# Altium PCB top_INA_v1.PcbDoc (part 1 of 4) (continued)
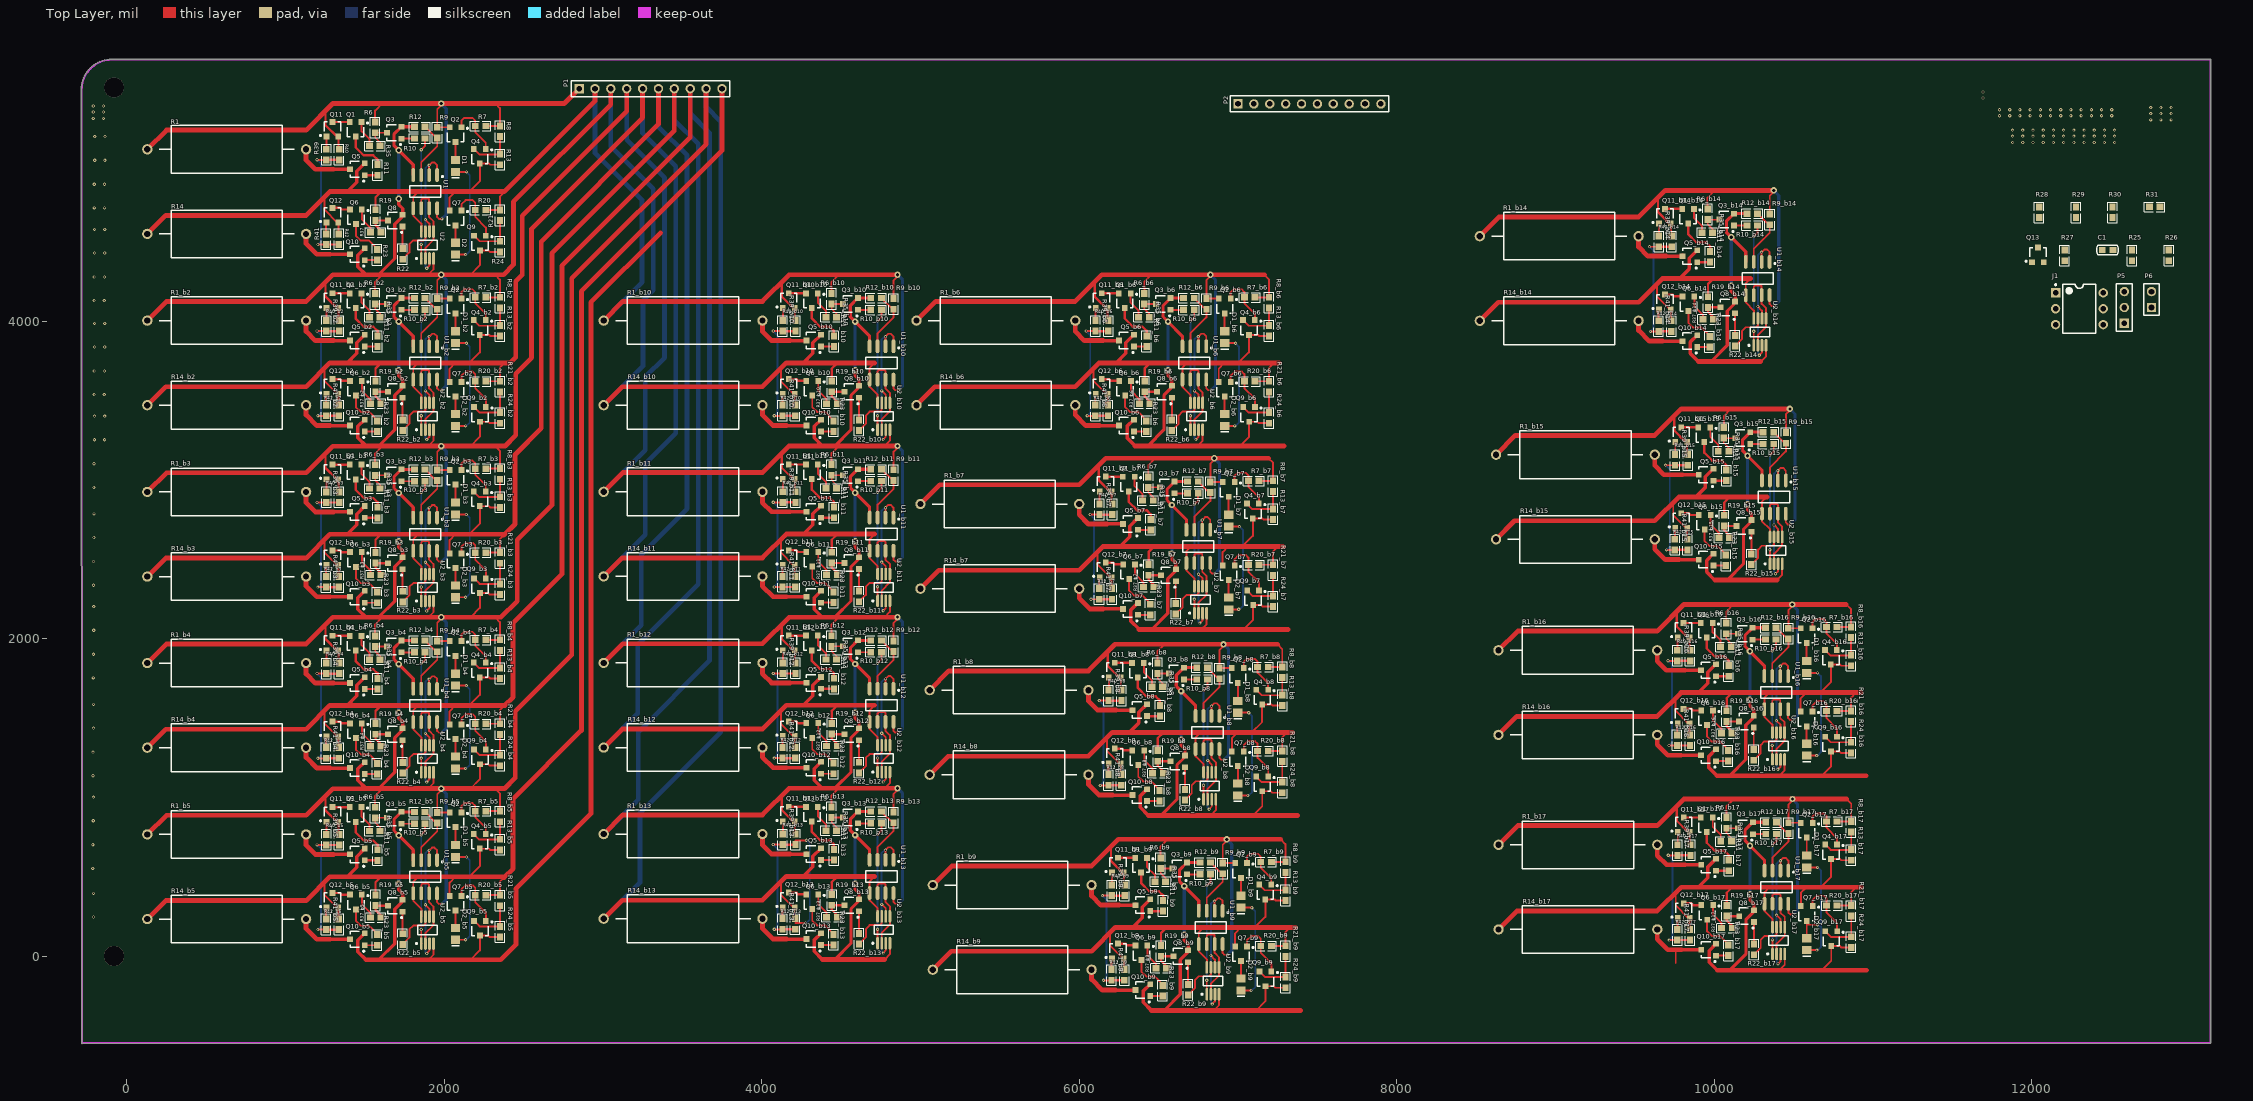
[diagram p0: Top Layer view]
## Components (designator, comment, footprint, x,y, rotation, side; value= is the part's Value field where it differs from the comment) (continued)
Q6_b13 "MMBT3906" SOT23-3 4318.87,343.54 r180 top (schematic designator Q6)
Q6_b14 "MMBT3906" SOT23-3 9836.87,4109.28 r180 top (schematic designator Q6)
Q6_b15 "MMBT3906" SOT23-3 9938.87,2733.02 r180 top (schematic designator Q6)
Q6_b16 "MMBT3906" SOT23-3 9953.87,1501.28 r180 top (schematic designator Q6)
Q6_b17 "MMBT3906" SOT23-3 9954.87,276.02 r180 top (schematic designator Q6)
Q7 "MMBT5400" SOT23-3 2071.87,4649.54 r180 top
Q7_b2 "MMBT5400" SOT23-3 2071.87,3570.54 r180 top (schematic designator Q7)
Q7_b3 "MMBT5400" SOT23-3 2071.87,2491.54 r180 top (schematic designator Q7)
Q7_b4 "MMBT5400" SOT23-3 2071.87,1413.54 r180 top (schematic designator Q7)
Q7_b5 "MMBT5400" SOT23-3 2071.87,334.54 r180 top (schematic designator Q7)
Q7_b6 "MMBT5400" SOT23-3 6915.87,3570.54 r180 top (schematic designator Q7)
Q7_b7 "MMBT5400" SOT23-3 6940.87,2415.28 r180 top (schematic designator Q7)
Q7_b8 "MMBT5400" SOT23-3 6998.87,1243.28 r180 top (schematic designator Q7)
Q7_b9 "MMBT5400" SOT23-3 7018.87,15.28 r180 top (schematic designator Q7)
Q7_b16 "MMBT5400" SOT23-3 10580.87,1494.28 r180 top (schematic designator Q7)
Q7_b17 "MMBT5400" SOT23-3 10581.87,269.02 r180 top (schematic designator Q7)
Q8 "MMBT3904" SOT23-3 1692.87,4633.54 r90 top
Q8_b2 "MMBT3904" SOT23-3 1692.87,3554.54 r90 top (schematic designator Q8)
Q8_b3 "MMBT3904" SOT23-3 1692.87,2475.54 r90 top (schematic designator Q8)
Q8_b4 "MMBT3904" SOT23-3 1692.87,1397.54 r90 top (schematic designator Q8)
Q8_b5 "MMBT3904" SOT23-3 1692.87,318.54 r90 top (schematic designator Q8)
Q8_b6 "MMBT3904" SOT23-3 6536.87,3554.54 r90 top (schematic designator Q8)
Q8_b7 "MMBT3904" SOT23-3 6561.87,2399.28 r90 top (schematic designator Q8)
Q8_b8 "MMBT3904" SOT23-3 6619.87,1227.28 r90 top (schematic designator Q8)
Q8_b9 "MMBT3904" SOT23-3 6639.87,-0.72 r90 top (schematic designator Q8)
Q8_b10 "MMBT3904" SOT23-3 4566.87,3554.54 r90 top (schematic designator Q8)
Q8_b11 "MMBT3904" SOT23-3 4566.87,2476.54 r90 top (schematic designator Q8)
Q8_b12 "MMBT3904" SOT23-3 4566.87,1398.54 r90 top (schematic designator Q8)
Q8_b13 "MMBT3904" SOT23-3 4566.87,320.54 r90 top (schematic designator Q8)
Q8_b14 "MMBT3904" SOT23-3 10084.87,4086.28 r90 top (schematic designator Q8)
Q8_b15 "MMBT3904" SOT23-3 10186.87,2710.02 r90 top (schematic designator Q8)
Q8_b16 "MMBT3904" SOT23-3 10201.87,1478.28 r90 top (schematic designator Q8)
Q8_b17 "MMBT3904" SOT23-3 10202.87,253.02 r90 top (schematic designator Q8)
Q9 "TL431" SOT23-3 2225.87,4491.54 r180 top
Q9_b2 "TL431" SOT23-3 2225.87,3412.54 r180 top (schematic designator Q9)
Q9_b3 "TL431" SOT23-3 2225.87,2333.54 r180 top (schematic designator Q9)
Q9_b4 "TL431" SOT23-3 2225.87,1255.54 r180 top (schematic designator Q9)
Q9_b5 "TL431" SOT23-3 2225.87,176.54 r180 top (schematic designator Q9)
Q9_b6 "TL431" SOT23-3 7069.87,3412.54 r180 top (schematic designator Q9)
Q9_b7 "TL431" SOT23-3 7094.87,2257.28 r180 top (schematic designator Q9)
Q9_b8 "TL431" SOT23-3 7152.87,1085.28 r180 top (schematic designator Q9)
Q9_b9 "TL431" SOT23-3 7172.87,-142.72 r180 top (schematic designator Q9)
Q9_b16 "TL431" SOT23-3 10734.87,1336.28 r180 top (schematic designator Q9)
Q9_b17 "TL431" SOT23-3 10735.87,111.02 r180 top (schematic designator Q9)
Q10 "MOSFET-N" SOT23-3 1453.87,4421.54 r90 top
Q10_b2 "MOSFET-N" SOT23-3 1453.87,3342.54 r90 top (schematic designator Q10)
Q10_b3 "MOSFET-N" SOT23-3 1453.87,2263.54 r90 top (schematic designator Q10)
Q10_b4 "MOSFET-N" SOT23-3 1453.87,1185.54 r90 top (schematic designator Q10)
Q10_b5 "MOSFET-N" SOT23-3 1453.87,106.54 r90 top (schematic designator Q10)
Q10_b6 "MOSFET-N" SOT23-3 6297.87,3342.54 r90 top (schematic designator Q10)
Q10_b7 "MOSFET-N" SOT23-3 6322.87,2187.28 r90 top (schematic designator Q10)
Q10_b8 "MOSFET-N" SOT23-3 6380.87,1015.28 r90 top (schematic designator Q10)
Q10_b9 "MOSFET-N" SOT23-3 6400.87,-212.72 r90 top (schematic designator Q10)
Q10_b10 "MOSFET-N" SOT23-3 4327.87,3342.54 r90 top (schematic designator Q10)
Q10_b11 "MOSFET-N" SOT23-3 4327.87,2264.54 r90 top (schematic designator Q10)
Q10_b12 "MOSFET-N" SOT23-3 4327.87,1186.54 r90 top (schematic designator Q10)
Q10_b13 "MOSFET-N" SOT23-3 4327.87,108.54 r90 top (schematic designator Q10)
Q10_b14 "MOSFET-N" SOT23-3 9845.87,3874.28 r90 top (schematic designator Q10)
Q10_b15 "MOSFET-N" SOT23-3 9947.87,2498.02 r90 top (schematic designator Q10)
Q10_b16 "MOSFET-N" SOT23-3 9962.87,1266.28 r90 top (schematic designator Q10)
Q10_b17 "MOSFET-N" SOT23-3 9963.87,41.02 r90 top (schematic designator Q10)
Q11 "MMBT3906" SOT23-3 1297,5208.26 r0 top
Q11_b2 "MMBT3906" SOT23-3 1297,4129.26 r0 top (schematic designator Q11)
Q11_b3 "MMBT3906" SOT23-3 1297,3050.26 r0 top (schematic designator Q11)
Q11_b4 "MMBT3906" SOT23-3 1297,1972.26 r0 top (schematic designator Q11)
Q11_b5 "MMBT3906" SOT23-3 1297,893.26 r0 top (schematic designator Q11)
Q11_b6 "MMBT3906" SOT23-3 6141,4129.26 r0 top (schematic designator Q11)
Q11_b7 "MMBT3906" SOT23-3 6166,2974 r0 top (schematic designator Q11)
Q11_b8 "MMBT3906" SOT23-3 6224,1802 r0 top (schematic designator Q11)
Q11_b9 "MMBT3906" SOT23-3 6244,574 r0 top (schematic designator Q11)
Q11_b10 "MMBT3906" SOT23-3 4171,4129.26 r0 top (schematic designator Q11)
Q11_b11 "MMBT3906" SOT23-3 4171,3051.26 r0 top (schematic designator Q11)
Q11_b12 "MMBT3906" SOT23-3 4171,1973.26 r0 top (schematic designator Q11)
Q11_b13 "MMBT3906" SOT23-3 4171,895.26 r0 top (schematic designator Q11)
Q11_b14 "MMBT3906" SOT23-3 9689,4661 r0 top (schematic designator Q11)
Q11_b15 "MMBT3906" SOT23-3 9791,3284.74 r0 top (schematic designator Q11)
Q11_b16 "MMBT3906" SOT23-3 9806,2053 r0 top (schematic designator Q11)
Q11_b17 "MMBT3906" SOT23-3 9807,827.74 r0 top (schematic designator Q11)
Q12 "MMBT3906" SOT23-3 1297,4667.26 r0 top
Q12_b2 "MMBT3906" SOT23-3 1297,3588.26 r0 top (schematic designator Q12)
Q12_b3 "MMBT3906" SOT23-3 1297,2509.26 r0 top (schematic designator Q12)
Q12_b4 "MMBT3906" SOT23-3 1297,1431.26 r0 top (schematic designator Q12)
Q12_b5 "MMBT3906" SOT23-3 1297,352.26 r0 top (schematic designator Q12)
Q12_b6 "MMBT3906" SOT23-3 6141,3588.26 r0 top (schematic designator Q12)
Q12_b7 "MMBT3906" SOT23-3 6166,2433 r0 top (schematic designator Q12)
Q12_b8 "MMBT3906" SOT23-3 6224,1261 r0 top (schematic designator Q12)
Q12_b9 "MMBT3906" SOT23-3 6244,33 r0 top (schematic designator Q12)
Q12_b10 "MMBT3906" SOT23-3 4171,3588.26 r0 top (schematic designator Q12)
Q12_b11 "MMBT3906" SOT23-3 4171,2510.26 r0 top (schematic designator Q12)
Q12_b12 "MMBT3906" SOT23-3 4171,1432.26 r0 top (schematic designator Q12)
Q12_b13 "MMBT3906" SOT23-3 4171,354.26 r0 top (schematic designator Q12)
Q12_b14 "MMBT3906" SOT23-3 9689,4120 r0 top (schematic designator Q12)
Q12_b15 "MMBT3906" SOT23-3 9791,2743.74 r0 top (schematic designator Q12)
Q12_b16 "MMBT3906" SOT23-3 9806,1512 r0 top (schematic designator Q12)
Q12_b17 "MMBT3906" SOT23-3 9807,286.74 r0 top (schematic designator Q12)
Q13 "NPN" SOT23-3 12038,4417 r0 top
R1 "Res1" AXIAL-1.0 631,5082.26 r180 top
R1_b2 "Res1" AXIAL-1.0 631,4003.26 r180 top (schematic designator R1)
R1_b3 "Res1" AXIAL-1.0 631,2924.26 r180 top (schematic designator R1)
R1_b4 "Res1" AXIAL-1.0 631,1846.26 r180 top (schematic designator R1)
R1_b5 "Res1" AXIAL-1.0 631,767.26 r180 top (schematic designator R1)
R1_b6 "Res1" AXIAL-1.0 5475,4003.26 r180 top (schematic designator R1)
R1_b7 "Res1" AXIAL-1.0 5500,2848 r180 top (schematic designator R1)
R1_b8 "Res1" AXIAL-1.0 5558,1676 r180 top (schematic designator R1)
R1_b9 "Res1" AXIAL-1.0 5578,448 r180 top (schematic designator R1)
R1_b10 "Res1" AXIAL-1.0 3505,4003.26 r180 top (schematic designator R1)
R1_b11 "Res1" AXIAL-1.0 3505,2925.26 r180 top (schematic designator R1)
R1_b12 "Res1" AXIAL-1.0 3505,1847.26 r180 top (schematic designator R1)
R1_b13 "Res1" AXIAL-1.0 3505,769.26 r180 top (schematic designator R1)
R1_b14 "Res1" AXIAL-1.0 9023,4535 r180 top (schematic designator R1)
R1_b15 "Res1" AXIAL-1.0 9125,3158.74 r180 top (schematic designator R1)
R1_b16 "Res1" AXIAL-1.0 9140,1927 r180 top (schematic designator R1)
R1_b17 "Res1" AXIAL-1.0 9141,701.74 r180 top (schematic designator R1)
R6 "Res1" 0603-1 1565.87,5220 r90 top
R6_b2 "Res1" 0603-1 1565.87,4141 r90 top (schematic designator R6)
R6_b3 "Res1" 0603-1 1565.87,3062 r90 top (schematic designator R6)
R6_b4 "Res1" 0603-1 1565.87,1984 r90 top (schematic designator R6)
R6_b5 "Res1" 0603-1 1565.87,905 r90 top (schematic designator R6)
R6_b6 "Res1" 0603-1 6409.87,4141 r90 top (schematic designator R6)
R6_b7 "Res1" 0603-1 6434.87,2985.74 r90 top (schematic designator R6)
R6_b8 "Res1" 0603-1 6492.87,1813.74 r90 top (schematic designator R6)
R6_b9 "Res1" 0603-1 6512.87,585.74 r90 top (schematic designator R6)
R6_b10 "Res1" 0603-1 4439.87,4141 r90 top (schematic designator R6)
R6_b11 "Res1" 0603-1 4439.87,3063 r90 top (schematic designator R6)
R6_b12 "Res1" 0603-1 4439.87,1985 r90 top (schematic designator R6)
R6_b13 "Res1" 0603-1 4439.87,907 r90 top (schematic designator R6)
R6_b14 "Res1" 0603-1 9957.87,4672.74 r90 top (schematic designator R6)
R6_b15 "Res1" 0603-1 10059.87,3296.48 r90 top (schematic designator R6)
R6_b16 "Res1" 0603-1 10074.87,2064.74 r90 top (schematic designator R6)
R6_b17 "Res1" 0603-1 10075.87,839.48 r90 top (schematic designator R6)
R7 "Res1" 0603-1 2229.87,5228.54 r0 top
R7_b2 "Res1" 0603-1 2229.87,4149.54 r0 top (schematic designator R7)
R7_b3 "Res1" 0603-1 2229.87,3070.54 r0 top (schematic designator R7)
R7_b4 "Res1" 0603-1 2229.87,1992.54 r0 top (schematic designator R7)
R7_b5 "Res1" 0603-1 2229.87,913.54 r0 top (schematic designator R7)
R7_b6 "Res1" 0603-1 7073.87,4149.54 r0 top (schematic designator R7)
R7_b7 "Res1" 0603-1 7098.87,2994.28 r0 top (schematic designator R7)
R7_b8 "Res1" 0603-1 7156.87,1822.28 r0 top (schematic designator R7)
R7_b9 "Res1" 0603-1 7176.87,594.28 r0 top (schematic designator R7)
R7_b16 "Res1" 0603-1 10738.87,2073.28 r0 top (schematic designator R7)
R7_b17 "Res1" 0603-1 10739.87,848.02 r0 top (schematic designator R7)
R8 "Res1" 0603-1 2351.87,5195.54 r90 top
R8_b2 "Res1" 0603-1 2351.87,4116.54 r90 top (schematic designator R8)
R8_b3 "Res1" 0603-1 2351.87,3037.54 r90 top (schematic designator R8)
R8_b4 "Res1" 0603-1 2351.87,1959.54 r90 top (schematic designator R8)
R8_b5 "Res1" 0603-1 2351.87,880.54 r90 top (schematic designator R8)
R8_b6 "Res1" 0603-1 7195.87,4116.54 r90 top (schematic designator R8)
R8_b7 "Res1" 0603-1 7220.87,2961.28 r90 top (schematic designator R8)
R8_b8 "Res1" 0603-1 7278.87,1789.28 r90 top (schematic designator R8)
R8_b9 "Res1" 0603-1 7298.87,561.28 r90 top (schematic designator R8)
R8_b16 "Res1" 0603-1 10860.87,2040.28 r90 top (schematic designator R8)
R8_b17 "Res1" 0603-1 10861.87,815.02 r90 top (schematic designator R8)
R9 "Res1" 0603-1 1956.87,5187.54 r90 top
R9_b2 "Res1" 0603-1 1956.87,4108.54 r90 top (schematic designator R9)
R9_b3 "Res1" 0603-1 1956.87,3029.54 r90 top (schematic designator R9)
R9_b4 "Res1" 0603-1 1956.87,1951.54 r90 top (schematic designator R9)
R9_b5 "Res1" 0603-1 1956.87,872.54 r90 top (schematic designator R9)
R9_b6 "Res1" 0603-1 6800.87,4108.54 r90 top (schematic designator R9)
R9_b7 "Res1" 0603-1 6825.87,2953.28 r90 top (schematic designator R9)
R9_b8 "Res1" 0603-1 6883.87,1781.28 r90 top (schematic designator R9)
R9_b9 "Res1" 0603-1 6903.87,553.28 r90 top (schematic designator R9)
R9_b10 "Res1" 0603-1 4830.87,4108.54 r90 top (schematic designator R9)
R9_b11 "Res1" 0603-1 4830.87,3030.54 r90 top (schematic designator R9)
R9_b12 "Res1" 0603-1 4830.87,1952.54 r90 top (schematic designator R9)
R9_b13 "Res1" 0603-1 4830.87,874.54 r90 top (schematic designator R9)
R9_b14 "Res1" 0603-1 10348.87,4640.28 r90 top (schematic designator R9)
R9_b15 "Res1" 0603-1 10450.87,3264.02 r90 top (schematic designator R9)
R9_b16 "Res1" 0603-1 10465.87,2032.28 r90 top (schematic designator R9)
R9_b17 "Res1" 0603-1 10466.87,807.02 r90 top (schematic designator R9)
R10 "Res1" 0603-1 1846.73,5149.94 r0 top
R10_b2 "Res1" 0603-1 1846.73,4070.94 r0 top (schematic designator R10)
R10_b3 "Res1" 0603-1 1846.73,2991.94 r0 top (schematic designator R10)
R10_b4 "Res1" 0603-1 1846.73,1913.94 r0 top (schematic designator R10)
R10_b5 "Res1" 0603-1 1846.73,834.94 r0 top (schematic designator R10)
R10_b6 "Res1" 0603-1 6690.73,4070.94 r0 top (schematic designator R10)
R10_b7 "Res1" 0603-1 6715.73,2915.68 r0 top (schematic designator R10)
R10_b8 "Res1" 0603-1 6773.73,1743.68 r0 top (schematic designator R10)
R10_b9 "Res1" 0603-1 6793.73,515.68 r0 top (schematic designator R10)
R10_b10 "Res1" 0603-1 4720.73,4070.94 r0 top (schematic designator R10)
R10_b11 "Res1" 0603-1 4720.73,2992.94 r0 top (schematic designator R10)
R10_b12 "Res1" 0603-1 4720.73,1914.94 r0 top (schematic designator R10)
R10_b13 "Res1" 0603-1 4720.73,836.94 r0 top (schematic designator R10)
R10_b14 "Res1" 0603-1 10238.73,4602.68 r0 top (schematic designator R10)
R10_b15 "Res1" 0603-1 10340.73,3226.42 r0 top (schematic designator R10)
R10_b16 "Res1" 0603-1 10355.73,1994.68 r0 top (schematic designator R10)
R10_b17 "Res1" 0603-1 10356.73,769.42 r0 top (schematic designator R10)
R11 "Res1" 0603-1 1581,4952.26 r90 top
R11_b2 "Res1" 0603-1 1581,3873.26 r90 top (schematic designator R11)
R11_b3 "Res1" 0603-1 1581,2794.26 r90 top (schematic designator R11)
R11_b4 "Res1" 0603-1 1581,1716.26 r90 top (schematic designator R11)
R11_b5 "Res1" 0603-1 1581,637.26 r90 top (schematic designator R11)
R11_b6 "Res1" 0603-1 6425,3873.26 r90 top (schematic designator R11)
R11_b7 "Res1" 0603-1 6450,2718 r90 top (schematic designator R11)
R11_b8 "Res1" 0603-1 6508,1546 r90 top (schematic designator R11)
R11_b9 "Res1" 0603-1 6528,318 r90 top (schematic designator R11)
R11_b10 "Res1" 0603-1 4455,3873.26 r90 top (schematic designator R11)
R11_b11 "Res1" 0603-1 4455,2795.26 r90 top (schematic designator R11)
R11_b12 "Res1" 0603-1 4455,1717.26 r90 top (schematic designator R11)
R11_b13 "Res1" 0603-1 4455,639.26 r90 top (schematic designator R11)
R11_b14 "Res1" 0603-1 9973,4405 r90 top (schematic designator R11)
R11_b15 "Res1" 0603-1 10075,3028.74 r90 top (schematic designator R11)
R11_b16 "Res1" 0603-1 10090,1797 r90 top (schematic designator R11)
R11_b17 "Res1" 0603-1 10091,571.74 r90 top (schematic designator R11)
R12 "Res1" 0603-1 1846.73,5223.94 r0 top
R12_b2 "Res1" 0603-1 1846.73,4144.94 r0 top (schematic designator R12)
R12_b3 "Res1" 0603-1 1846.73,3065.94 r0 top (schematic designator R12)
R12_b4 "Res1" 0603-1 1846.73,1987.94 r0 top (schematic designator R12)
R12_b5 "Res1" 0603-1 1846.73,908.94 r0 top (schematic designator R12)
R12_b6 "Res1" 0603-1 6690.73,4144.94 r0 top (schematic designator R12)
R12_b7 "Res1" 0603-1 6715.73,2989.68 r0 top (schematic designator R12)
R12_b8 "Res1" 0603-1 6773.73,1817.68 r0 top (schematic designator R12)
R12_b9 "Res1" 0603-1 6793.73,589.68 r0 top (schematic designator R12)
R12_b10 "Res1" 0603-1 4720.73,4144.94 r0 top (schematic designator R12)
R12_b11 "Res1" 0603-1 4720.73,3066.94 r0 top (schematic designator R12)
R12_b12 "Res1" 0603-1 4720.73,1988.94 r0 top (schematic designator R12)
R12_b13 "Res1" 0603-1 4720.73,910.94 r0 top (schematic designator R12)
R12_b14 "Res1" 0603-1 10238.73,4676.68 r0 top (schematic designator R12)
R12_b15 "Res1" 0603-1 10340.73,3300.42 r0 top (schematic designator R12)
R12_b16 "Res1" 0603-1 10355.73,2068.68 r0 top (schematic designator R12)
R12_b17 "Res1" 0603-1 10356.73,843.42 r0 top (schematic designator R12)
R13 "Res1" 0603-1 2351.87,5018.54 r90 top
R13_b2 "Res1" 0603-1 2351.87,3939.54 r90 top (schematic designator R13)
R13_b3 "Res1" 0603-1 2351.87,2860.54 r90 top (schematic designator R13)
R13_b4 "Res1" 0603-1 2351.87,1782.54 r90 top (schematic designator R13)
R13_b5 "Res1" 0603-1 2351.87,703.54 r90 top (schematic designator R13)
R13_b6 "Res1" 0603-1 7195.87,3939.54 r90 top (schematic designator R13)
R13_b7 "Res1" 0603-1 7220.87,2784.28 r90 top (schematic designator R13)
R13_b8 "Res1" 0603-1 7278.87,1612.28 r90 top (schematic designator R13)
R13_b9 "Res1" 0603-1 7298.87,384.28 r90 top (schematic designator R13)
R13_b16 "Res1" 0603-1 10860.87,1863.28 r90 top (schematic designator R13)
R13_b17 "Res1" 0603-1 10861.87,638.02 r90 top (schematic designator R13)
R14 "Res1" AXIAL-1.0 631,4549.26 r180 top
R14_b2 "Res1" AXIAL-1.0 631,3470.26 r180 top (schematic designator R14)
R14_b3 "Res1" AXIAL-1.0 631,2391.26 r180 top (schematic designator R14)
R14_b4 "Res1" AXIAL-1.0 631,1313.26 r180 top (schematic designator R14)
R14_b5 "Res1" AXIAL-1.0 631,234.26 r180 top (schematic designator R14)
R14_b6 "Res1" AXIAL-1.0 5475,3470.26 r180 top (schematic designator R14)
R14_b7 "Res1" AXIAL-1.0 5500,2315 r180 top (schematic designator R14)
R14_b8 "Res1" AXIAL-1.0 5558,1143 r180 top (schematic designator R14)
R14_b9 "Res1" AXIAL-1.0 5578,-85 r180 top (schematic designator R14)
R14_b10 "Res1" AXIAL-1.0 3505,3470.26 r180 top (schematic designator R14)
R14_b11 "Res1" AXIAL-1.0 3505,2392.26 r180 top (schematic designator R14)
R14_b12 "Res1" AXIAL-1.0 3505,1314.26 r180 top (schematic designator R14)
R14_b13 "Res1" AXIAL-1.0 3505,236.26 r180 top (schematic designator R14)
R14_b14 "Res1" AXIAL-1.0 9023,4002 r180 top (schematic designator R14)
R14_b15 "Res1" AXIAL-1.0 9125,2625.74 r180 top (schematic designator R14)
R14_b16 "Res1" AXIAL-1.0 9140,1394 r180 top (schematic designator R14)
R14_b17 "Res1" AXIAL-1.0 9141,168.74 r180 top (schematic designator R14)
R19 "Res1" 0603-1 1567.87,4667.54 r90 top
R19_b2 "Res1" 0603-1 1567.87,3588.54 r90 top (schematic designator R19)
R19_b3 "Res1" 0603-1 1567.87,2509.54 r90 top (schematic designator R19)
R19_b4 "Res1" 0603-1 1567.87,1431.54 r90 top (schematic designator R19)
R19_b5 "Res1" 0603-1 1567.87,352.54 r90 top (schematic designator R19)
R19_b6 "Res1" 0603-1 6411.87,3588.54 r90 top (schematic designator R19)
R19_b7 "Res1" 0603-1 6436.87,2433.28 r90 top (schematic designator R19)
R19_b8 "Res1" 0603-1 6494.87,1261.28 r90 top (schematic designator R19)
R19_b9 "Res1" 0603-1 6514.87,33.28 r90 top (schematic designator R19)
R19_b10 "Res1" 0603-1 4441.87,3588.54 r90 top (schematic designator R19)
R19_b11 "Res1" 0603-1 4441.87,2510.54 r90 top (schematic designator R19)
R19_b12 "Res1" 0603-1 4441.87,1432.54 r90 top (schematic designator R19)
R19_b13 "Res1" 0603-1 4441.87,354.54 r90 top (schematic designator R19)
R19_b14 "Res1" 0603-1 9959.87,4120.28 r90 top (schematic designator R19)
R19_b15 "Res1" 0603-1 10061.87,2744.02 r90 top (schematic designator R19)
R19_b16 "Res1" 0603-1 10076.87,1512.28 r90 top (schematic designator R19)
R19_b17 "Res1" 0603-1 10077.87,287.02 r90 top (schematic designator R19)
R20 "Res1" 0603-1 2229.87,4699.54 r0 top
R20_b2 "Res1" 0603-1 2229.87,3620.54 r0 top (schematic designator R20)
R20_b3 "Res1" 0603-1 2229.87,2541.54 r0 top (schematic designator R20)
R20_b4 "Res1" 0603-1 2229.87,1463.54 r0 top (schematic designator R20)
R20_b5 "Res1" 0603-1 2229.87,384.54 r0 top (schematic designator R20)
R20_b6 "Res1" 0603-1 7073.87,3620.54 r0 top (schematic designator R20)
R20_b7 "Res1" 0603-1 7098.87,2465.28 r0 top (schematic designator R20)
R20_b8 "Res1" 0603-1 7156.87,1293.28 r0 top (schematic designator R20)
R20_b9 "Res1" 0603-1 7176.87,65.28 r0 top (schematic designator R20)
R20_b16 "Res1" 0603-1 10738.87,1544.28 r0 top (schematic designator R20)
R20_b17 "Res1" 0603-1 10739.87,319.02 r0 top (schematic designator R20)
R21 "Res1" 0603-1 2351.87,4666.54 r90 top
R21_b2 "Res1" 0603-1 2351.87,3587.54 r90 top (schematic designator R21)
R21_b3 "Res1" 0603-1 2351.87,2508.54 r90 top (schematic designator R21)
R21_b4 "Res1" 0603-1 2351.87,1430.54 r90 top (schematic designator R21)
R21_b5 "Res1" 0603-1 2351.87,351.54 r90 top (schematic designator R21)
R21_b6 "Res1" 0603-1 7195.87,3587.54 r90 top (schematic designator R21)
R21_b7 "Res1" 0603-1 7220.87,2432.28 r90 top (schematic designator R21)
R21_b8 "Res1" 0603-1 7278.87,1260.28 r90 top (schematic designator R21)
R21_b9 "Res1" 0603-1 7298.87,32.28 r90 top (schematic designator R21)
R21_b16 "Res1" 0603-1 10860.87,1511.28 r90 top (schematic designator R21)
R21_b17 "Res1" 0603-1 10861.87,286.02 r90 top (schematic designator R21)
R22 "Res1" 0603-1 1739,4423.26 r90 top
R22_b2 "Res1" 0603-1 1739,3344.26 r90 top (schematic designator R22)
R22_b3 "Res1" 0603-1 1739,2265.26 r90 top (schematic designator R22)
R22_b4 "Res1" 0603-1 1739,1187.26 r90 top (schematic designator R22)
R22_b5 "Res1" 0603-1 1739,108.26 r90 top (schematic designator R22)
R22_b6 "Res1" 0603-1 6583,3344.26 r90 top (schematic designator R22)
R22_b7 "Res1" 0603-1 6608,2189 r90 top (schematic designator R22)
R22_b8 "Res1" 0603-1 6666,1017 r90 top (schematic designator R22)
R22_b9 "Res1" 0603-1 6686,-211 r90 top (schematic designator R22)
R22_b10 "Res1" 0603-1 4613,3344.26 r90 top (schematic designator R22)
R22_b11 "Res1" 0603-1 4613,2266.26 r90 top (schematic designator R22)
R22_b12 "Res1" 0603-1 4613,1188.26 r90 top (schematic designator R22)
R22_b13 "Res1" 0603-1 4613,110.26 r90 top (schematic designator R22)
R22_b14 "Res1" 0603-1 10131,3876 r90 top (schematic designator R22)
R22_b15 "Res1" 0603-1 10233,2499.74 r90 top (schematic designator R22)
R22_b16 "Res1" 0603-1 10248,1268 r90 top (schematic designator R22)
R22_b17 "Res1" 0603-1 10249,42.74 r90 top (schematic designator R22)
R23 "Res1" 0603-1 1578.25,4417.54 r90 top
R23_b2 "Res1" 0603-1 1578.25,3338.54 r90 top (schematic designator R23)
R23_b3 "Res1" 0603-1 1578.25,2259.54 r90 top (schematic designator R23)
R23_b4 "Res1" 0603-1 1578.25,1181.54 r90 top (schematic designator R23)
R23_b5 "Res1" 0603-1 1578.25,102.54 r90 top (schematic designator R23)
R23_b6 "Res1" 0603-1 6422.25,3338.54 r90 top (schematic designator R23)
R23_b7 "Res1" 0603-1 6447.25,2183.28 r90 top (schematic designator R23)
R23_b8 "Res1" 0603-1 6505.25,1011.28 r90 top (schematic designator R23)
R23_b9 "Res1" 0603-1 6525.25,-216.72 r90 top (schematic designator R23)
R23_b10 "Res1" 0603-1 4452.25,3338.54 r90 top (schematic designator R23)
R23_b11 "Res1" 0603-1 4452.25,2260.54 r90 top (schematic designator R23)
R23_b12 "Res1" 0603-1 4452.25,1182.54 r90 top (schematic designator R23)
R23_b13 "Res1" 0603-1 4452.25,104.54 r90 top (schematic designator R23)
R23_b14 "Res1" 0603-1 9970.25,3870.28 r90 top (schematic designator R23)
R23_b15 "Res1" 0603-1 10072.25,2494.02 r90 top (schematic designator R23)
R23_b16 "Res1" 0603-1 10087.25,1262.28 r90 top (schematic designator R23)
R23_b17 "Res1" 0603-1 10088.25,37.02 r90 top (schematic designator R23)
R24 "Res1" 0603-1 2351.87,4469.54 r90 top
R24_b2 "Res1" 0603-1 2351.87,3390.54 r90 top (schematic designator R24)
R24_b3 "Res1" 0603-1 2351.87,2311.54 r90 top (schematic designator R24)
R24_b4 "Res1" 0603-1 2351.87,1233.54 r90 top (schematic designator R24)
R24_b5 "Res1" 0603-1 2351.87,154.54 r90 top (schematic designator R24)
R24_b6 "Res1" 0603-1 7195.87,3390.54 r90 top (schematic designator R24)
R24_b7 "Res1" 0603-1 7220.87,2235.28 r90 top (schematic designator R24)
R24_b8 "Res1" 0603-1 7278.87,1063.28 r90 top (schematic designator R24)
R24_b9 "Res1" 0603-1 7298.87,-164.72 r90 top (schematic designator R24)
R24_b16 "Res1" 0603-1 10860.87,1314.28 r90 top (schematic designator R24)
R24_b17 "Res1" 0603-1 10861.87,89.02 r90 top (schematic designator R24)
R25 "Res1" 0603-1 12631,4414 r90 top
R26 "Res1" 0603-1 12862,4414 r90 top
R27 "Res1" 0603-1 12206,4414 r90 top
R28 "Res1" 0603-1 12046,4685 r90 top
R29 "Res1" 0603-1 12277,4685 r90 top
R30 "Res1" 0603-1 12507,4685 r90 top
R31 "Res1" 0603-1 12773,4720 r0 top
R35 "Res1" 0603-1 1563.87,5104 r180 top
R35_b2 "Res1" 0603-1 1563.87,4025 r180 top (schematic designator R35)
R35_b3 "Res1" 0603-1 1563.87,2946 r180 top (schematic designator R35)
R35_b4 "Res1" 0603-1 1563.87,1868 r180 top (schematic designator R35)
R35_b5 "Res1" 0603-1 1563.87,789 r180 top (schematic designator R35)
R35_b6 "Res1" 0603-1 6407.87,4025 r180 top (schematic designator R35)
R35_b7 "Res1" 0603-1 6432.87,2869.74 r180 top (schematic designator R35)
R35_b8 "Res1" 0603-1 6490.87,1697.74 r180 top (schematic designator R35)
R35_b9 "Res1" 0603-1 6510.87,469.74 r180 top (schematic designator R35)
R35_b10 "Res1" 0603-1 4437.87,4025 r180 top (schematic designator R35)
R35_b11 "Res1" 0603-1 4437.87,2947 r180 top (schematic designator R35)
R35_b12 "Res1" 0603-1 4437.87,1869 r180 top (schematic designator R35)
R35_b13 "Res1" 0603-1 4437.87,791 r180 top (schematic designator R35)
R35_b14 "Res1" 0603-1 9955.87,4556.74 r180 top (schematic designator R35)
R35_b15 "Res1" 0603-1 10057.87,3180.48 r180 top (schematic designator R35)
R35_b16 "Res1" 0603-1 10072.87,1948.74 r180 top (schematic designator R35)
R35_b17 "Res1" 0603-1 10073.87,723.48 r180 top (schematic designator R35)
R37 "Res1" 0603-1 1568.87,4559 r180 top
R37_b2 "Res1" 0603-1 1568.87,3480 r180 top (schematic designator R37)
R37_b3 "Res1" 0603-1 1568.87,2401 r180 top (schematic designator R37)
R37_b4 "Res1" 0603-1 1568.87,1323 r180 top (schematic designator R37)
R37_b5 "Res1" 0603-1 1568.87,244 r180 top (schematic designator R37)
R37_b6 "Res1" 0603-1 6412.87,3480 r180 top (schematic designator R37)
R37_b7 "Res1" 0603-1 6437.87,2324.74 r180 top (schematic designator R37)
R37_b8 "Res1" 0603-1 6495.87,1152.74 r180 top (schematic designator R37)
R37_b9 "Res1" 0603-1 6515.87,-75.26 r180 top (schematic designator R37)
R37_b10 "Res1" 0603-1 4442.87,3480 r180 top (schematic designator R37)
R37_b11 "Res1" 0603-1 4442.87,2402 r180 top (schematic designator R37)
R37_b12 "Res1" 0603-1 4442.87,1324 r180 top (schematic designator R37)
R37_b13 "Res1" 0603-1 4442.87,246 r180 top (schematic designator R37)
R37_b14 "Res1" 0603-1 9960.87,4011.74 r180 top (schematic designator R37)
R37_b15 "Res1" 0603-1 10062.87,2635.48 r180 top (schematic designator R37)
R37_b16 "Res1" 0603-1 10077.87,1403.74 r180 top (schematic designator R37)
R37_b17 "Res1" 0603-1 10078.87,178.48 r180 top (schematic designator R37)
R39 "Res1" 0603-1 1258,5049.26 r90 top
R39_b2 "Res1" 0603-1 1258,3970.26 r90 top (schematic designator R39)
R39_b3 "Res1" 0603-1 1258,2891.26 r90 top (schematic designator R39)
R39_b4 "Res1" 0603-1 1258,1813.26 r90 top (schematic designator R39)
R39_b5 "Res1" 0603-1 1258,734.26 r90 top (schematic designator R39)
R39_b6 "Res1" 0603-1 6102,3970.26 r90 top (schematic designator R39)
R39_b7 "Res1" 0603-1 6127,2815 r90 top (schematic designator R39)
R39_b8 "Res1" 0603-1 6185,1643 r90 top (schematic designator R39)
R39_b9 "Res1" 0603-1 6205,415 r90 top (schematic designator R39)
R39_b10 "Res1" 0603-1 4132,3970.26 r90 top (schematic designator R39)
R39_b11 "Res1" 0603-1 4132,2892.26 r90 top (schematic designator R39)
R39_b12 "Res1" 0603-1 4132,1814.26 r90 top (schematic designator R39)
R39_b13 "Res1" 0603-1 4132,736.26 r90 top (schematic designator R39)
R39_b14 "Res1" 0603-1 9650,4502 r90 top (schematic designator R39)
R39_b15 "Res1" 0603-1 9752,3125.74 r90 top (schematic designator R39)
R39_b16 "Res1" 0603-1 9767,1894 r90 top (schematic designator R39)
R39_b17 "Res1" 0603-1 9768,668.74 r90 top (schematic designator R39)
R40 "Res1" 0603-1 1339,5049.26 r270 top
R40_b2 "Res1" 0603-1 1339,3970.26 r270 top (schematic designator R40)
R40_b3 "Res1" 0603-1 1339,2891.26 r270 top (schematic designator R40)
R40_b4 "Res1" 0603-1 1339,1813.26 r270 top (schematic designator R40)
R40_b5 "Res1" 0603-1 1339,734.26 r270 top (schematic designator R40)
R40_b6 "Res1" 0603-1 6183,3970.26 r270 top (schematic designator R40)
R40_b7 "Res1" 0603-1 6208,2815 r270 top (schematic designator R40)
R40_b8 "Res1" 0603-1 6266,1643 r270 top (schematic designator R40)
R40_b9 "Res1" 0603-1 6286,415 r270 top (schematic designator R40)
R40_b10 "Res1" 0603-1 4213,3970.26 r270 top (schematic designator R40)
R40_b11 "Res1" 0603-1 4213,2892.26 r270 top (schematic designator R40)
R40_b12 "Res1" 0603-1 4213,1814.26 r270 top (schematic designator R40)
R40_b13 "Res1" 0603-1 4213,736.26 r270 top (schematic designator R40)
R40_b14 "Res1" 0603-1 9731,4502 r270 top (schematic designator R40)
R40_b15 "Res1" 0603-1 9833,3125.74 r270 top (schematic designator R40)
R40_b16 "Res1" 0603-1 9848,1894 r270 top (schematic designator R40)
R40_b17 "Res1" 0603-1 9849,668.74 r270 top (schematic designator R40)
R41 "Res1" 0603-1 1257,4516.26 r270 top
R41_b2 "Res1" 0603-1 1257,3437.26 r270 top (schematic designator R41)
R41_b3 "Res1" 0603-1 1257,2358.26 r270 top (schematic designator R41)
R41_b4 "Res1" 0603-1 1257,1280.26 r270 top (schematic designator R41)
R41_b5 "Res1" 0603-1 1257,201.26 r270 top (schematic designator R41)
R41_b6 "Res1" 0603-1 6101,3437.26 r270 top (schematic designator R41)
R41_b7 "Res1" 0603-1 6126,2282 r270 top (schematic designator R41)
R41_b8 "Res1" 0603-1 6184,1110 r270 top (schematic designator R41)
R41_b9 "Res1" 0603-1 6204,-118 r270 top (schematic designator R41)
R41_b10 "Res1" 0603-1 4131,3437.26 r270 top (schematic designator R41)
R41_b11 "Res1" 0603-1 4131,2359.26 r270 top (schematic designator R41)
R41_b12 "Res1" 0603-1 4131,1281.26 r270 top (schematic designator R41)
R41_b13 "Res1" 0603-1 4131,203.26 r270 top (schematic designator R41)
R41_b14 "Res1" 0603-1 9649,3969 r270 top (schematic designator R41)
R41_b15 "Res1" 0603-1 9751,2592.74 r270 top (schematic designator R41)
R41_b16 "Res1" 0603-1 9766,1361 r270 top (schematic designator R41)
R41_b17 "Res1" 0603-1 9767,135.74 r270 top (schematic designator R41)
R42 "Res1" 0603-1 1337,4516.26 r270 top
R42_b2 "Res1" 0603-1 1337,3437.26 r270 top (schematic designator R42)
R42_b3 "Res1" 0603-1 1337,2358.26 r270 top (schematic designator R42)
R42_b4 "Res1" 0603-1 1337,1280.26 r270 top (schematic designator R42)
R42_b5 "Res1" 0603-1 1337,201.26 r270 top (schematic designator R42)
R42_b6 "Res1" 0603-1 6181,3437.26 r270 top (schematic designator R42)
R42_b7 "Res1" 0603-1 6206,2282 r270 top (schematic designator R42)
R42_b8 "Res1" 0603-1 6264,1110 r270 top (schematic designator R42)
R42_b9 "Res1" 0603-1 6284,-118 r270 top (schematic designator R42)
R42_b10 "Res1" 0603-1 4211,3437.26 r270 top (schematic designator R42)
R42_b11 "Res1" 0603-1 4211,2359.26 r270 top (schematic designator R42)
R42_b12 "Res1" 0603-1 4211,1281.26 r270 top (schematic designator R42)
R42_b13 "Res1" 0603-1 4211,203.26 r270 top (schematic designator R42)
R42_b14 "Res1" 0603-1 9729,3969 r270 top (schematic designator R42)
R42_b15 "Res1" 0603-1 9831,2592.74 r270 top (schematic designator R42)
R42_b16 "Res1" 0603-1 9846,1361 r270 top (schematic designator R42)
R42_b17 "Res1" 0603-1 9847,135.74 r270 top (schematic designator R42)
U1 "LM358" SOIC-8 1880.87,4815.54 r270 top
U1_b2 "LM358" SOIC-8 1880.87,3736.54 r270 top (schematic designator U1)
U1_b3 "LM358" SOIC-8 1880.87,2657.54 r270 top (schematic designator U1)
U1_b4 "LM358" SOIC-8 1880.87,1579.54 r270 top (schematic designator U1)
U1_b5 "LM358" SOIC-8 1880.87,500.54 r270 top (schematic designator U1)
U1_b6 "LM358" SOIC-8 6724.87,3736.54 r270 top (schematic designator U1)
U1_b7 "LM358" SOIC-8 6749.87,2581.28 r270 top (schematic designator U1)
U1_b8 "LM358" SOIC-8 6807.87,1409.28 r270 top (schematic designator U1)
U1_b9 "LM358" SOIC-8 6827.87,181.28 r270 top (schematic designator U1)
U1_b10 "LM358" SOIC-8 4754.87,3736.54 r270 top (schematic designator U1)